# KiCad board UA4EFI.kicad_pcb (continued)
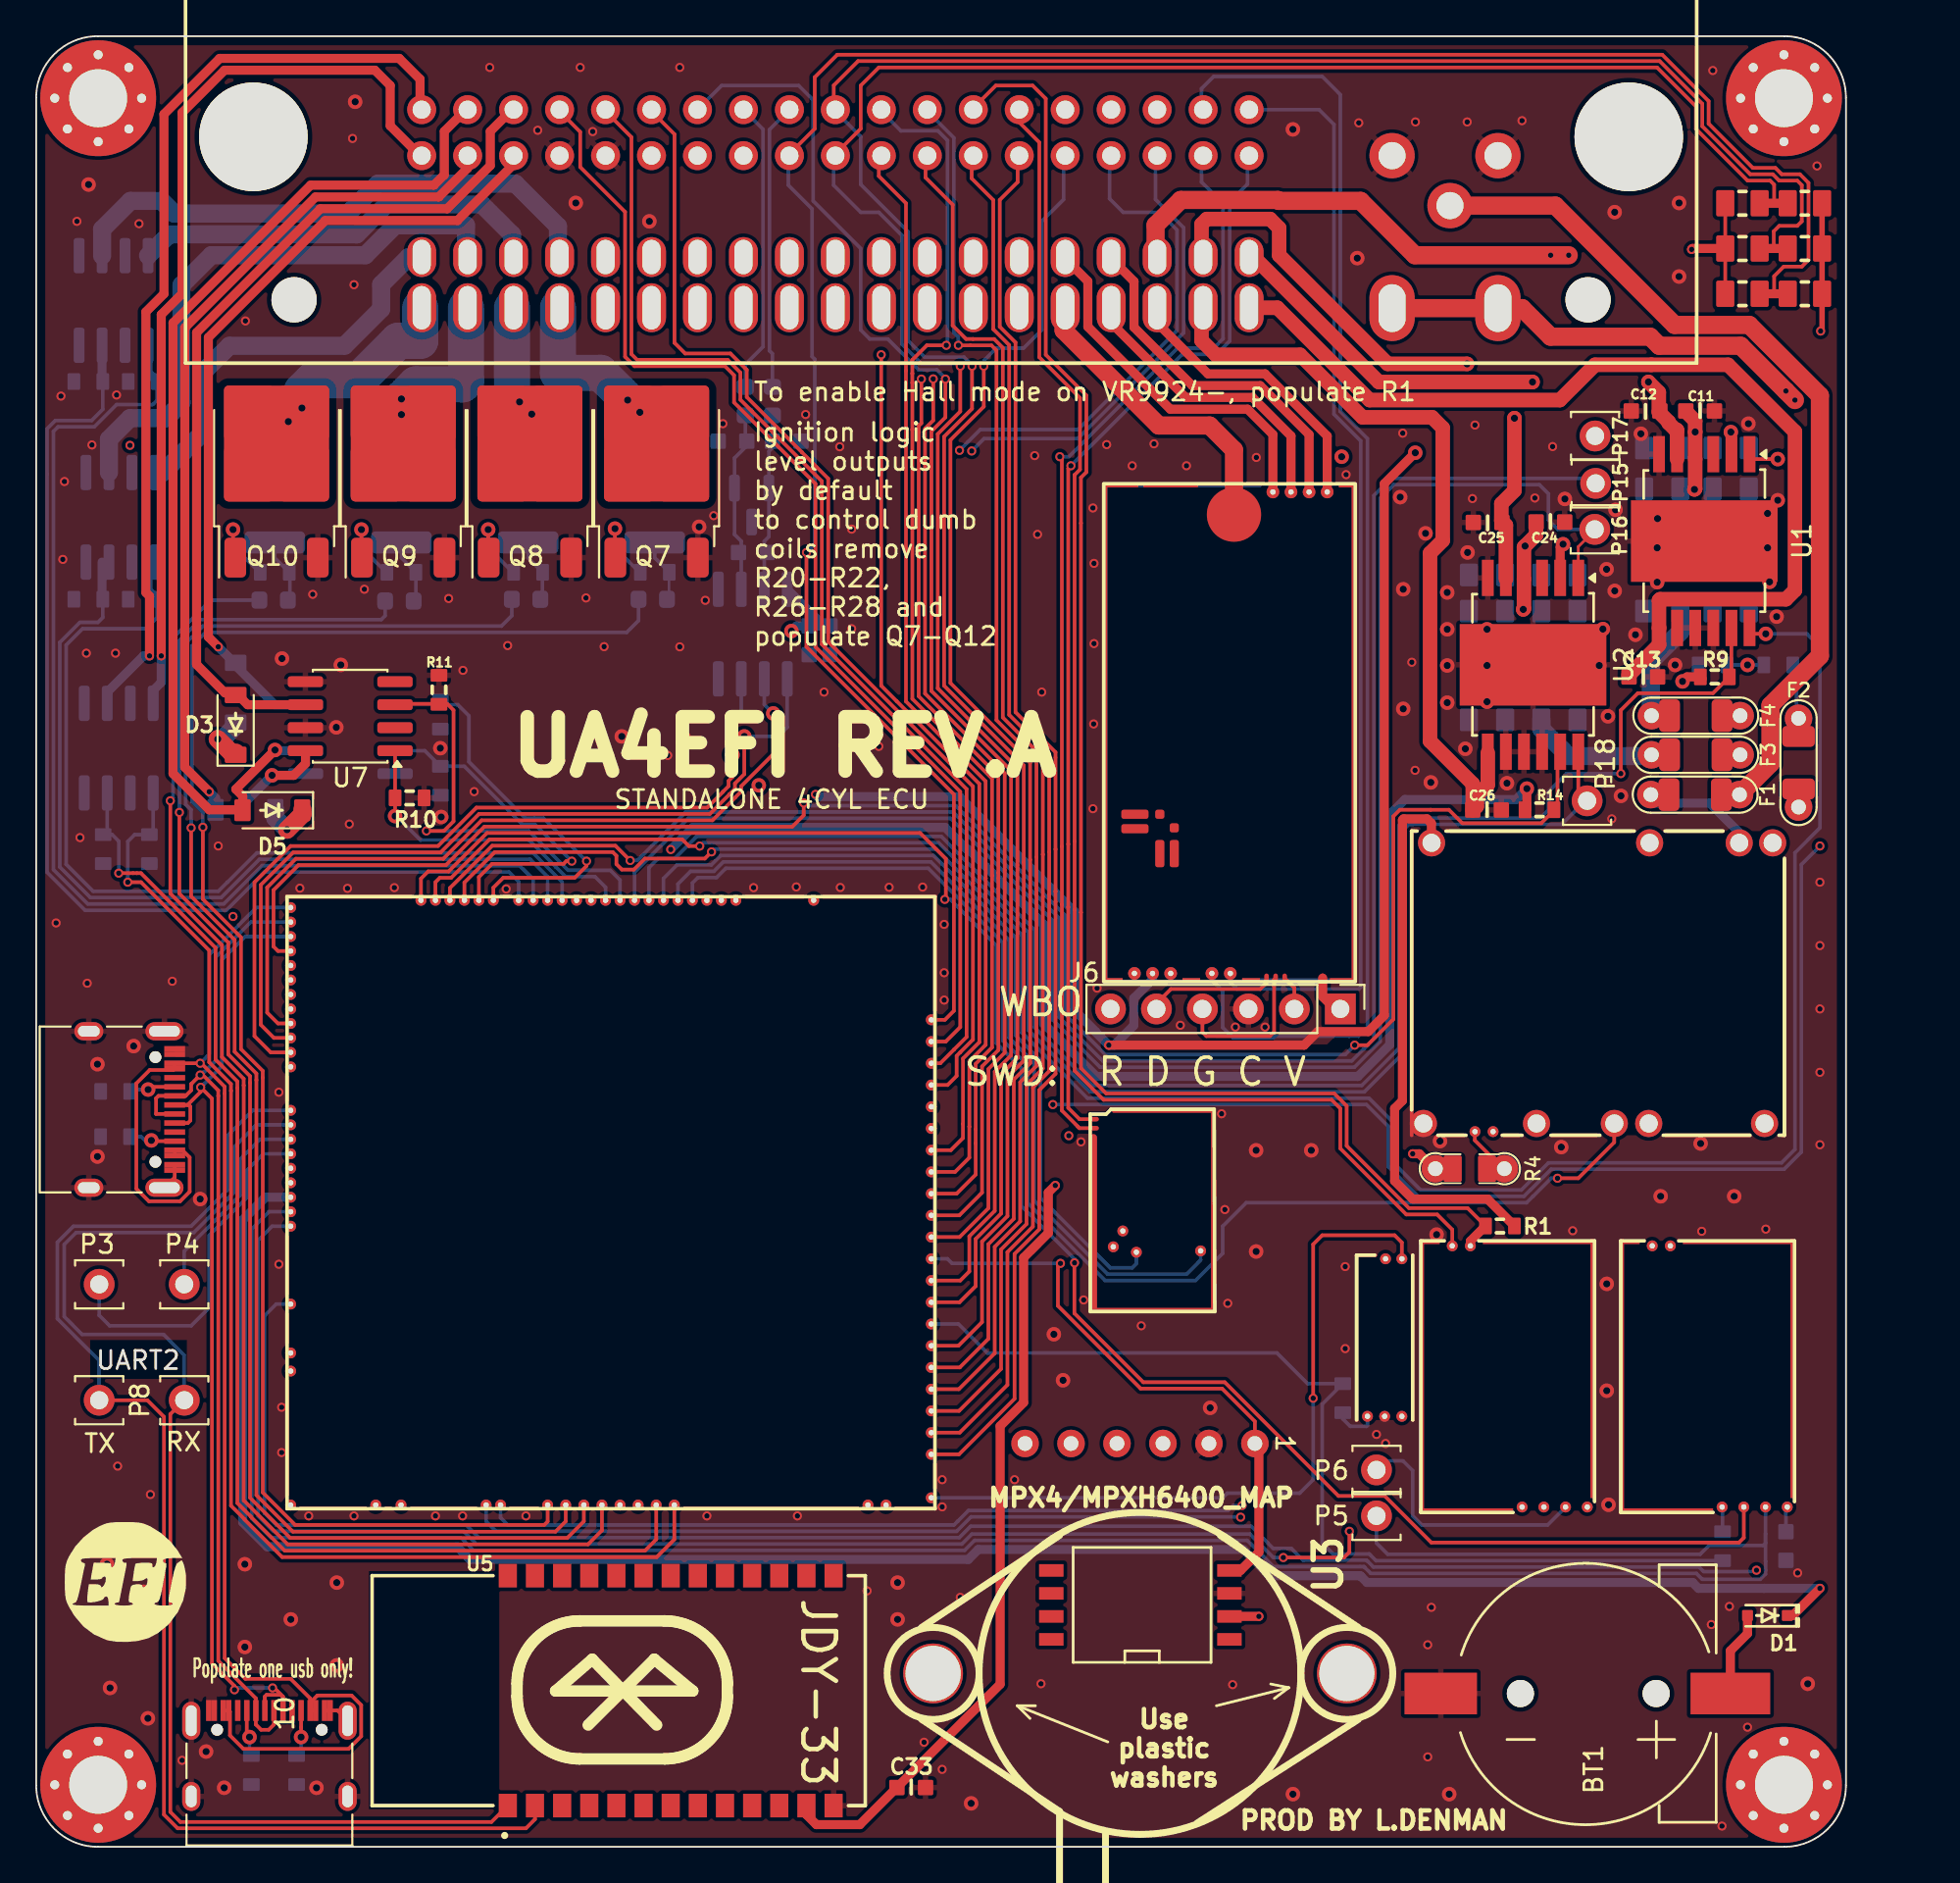
[diagram p0: board, top side]
## Routing (per net, layer and track width the routed paths; a pad name or vN(x,y) marks a point on that pad's centre or on a via; arc(x,y) is an arc through that point) (continued)
/MODULE_CAN_L: length 59.5
  Top w0.2: v1(57.18,76.28) 57.03,76.13 57.03,55.39 57.03,55.38 57.03,51.9 57.03,40.81 57.65,40.19 M7.S1
  Bottom w0.2: 66.93,93.4 66.93,91.83 65.95,90.85 65.95,83.17 65.21,82.42 63.32,82.42 v1(57.18,76.28)
/OUT_DC1+: length 56
  Top w0.8: 66.93,85 68.58,85 73.68,79.9 84.19,79.9 86.14,81.85 89.24,81.85 89.25,81.85 93.48,81.85 97.18,78.15 97.18,69.4 96.68,68.9 89.73,68.9 89.67,68.84 89.67,67.32 U1.7 89.67,66.39 87.98,64.69
/OUT_DC1-: length 30
  Top w0.8: 90.67,76.64 90.67,78.23 90.63,78.27 90.57,78.27 90.2,78.64 90.2,78.7 89.66,79.24 89.66,80.33 v2(89.09,80.9) ; v2(82.68,80.9) 74.18,80.9 67.28,87.8 66.93,87.8
  In2.Cu w0.8: v2(89.09,80.9) v2(82.68,80.9)
/OUT_DC2+: length 43.1
  Top w0.8: 80.21,60.42 80.21,58.66 79.64,58.09 79.6,58.09 79.6,57.47 79.38,57.24 79.38,58.71 77.02,61.07 77.02,71.45 77.72,72.15 77.72,78.36 77.13,78.95 73.29,78.95 69.84,82.4 65.18,82.4 64.39,83.19 64.39,85
/OUT_DC2-: length 34.2
  Top w0.8: 81.21,70.02 81.21,72.99 80.96,73.24 80.96,74.18 81.68,74.9 v2(81.68,78.9) ; v2(79.06,81.9) 74.68,81.9 68.68,87.9 68.68,89.4 68.18,89.9 64.68,89.9 64.39,89.61 64.39,87.8
  In2.Cu w0.8: v2(81.68,78.9) 81.68,79.28 v2(79.06,81.9)
/OUT_IGN1: length 10.6
  Bottom w2: 28.83,85 28.83,81.4 31.18,81.4 34.18,78.4 R20.2
  vias: v2(32.68,79.9) v2(33.36,79.23)
/OUT_IGN2: length 7.4
  Bottom w2: 26.29,85 26.29,80.22 27.18,79.33 R21.2
  vias: v2(26.71,79.8) v2(27.38,79.13)
/OUT_IGN3: length 10
  Bottom w2: R22.2 v2(20.18,79.1) v2(20.18,79.97) 20.99,80.78 23.56,80.78 23.75,80.97 23.75,85
/OUT_IGN4: length 12.6
  Bottom w2: 21.22,85 21.22,83.18 20,83.18 17.82,81 15.28,81 14.68,80.4 v2(14.68,79.47) R26.2
  vias: v2(13.93,78.72)
/OUT_INJ1: length 30.9
  Bottom w1: U10.6 3.64,89.34 5.21,90.9 6.93,90.9 7.63,90.21 17.23,90.21 18.88,91.86 26.48,91.86 28.83,89.5 28.83,87.8
/OUT_INJ2: length 23.2
  Bottom w1: 26.29,87.8 26.29,89.04 24.63,90.71 19.36,90.71 17.71,89.05 7.36,89.05 U10.8
/OUT_INJ3: length 32
  Bottom w1: 23.75,87.8 23.75,89.55 19.84,89.55 18.19,87.9 9.68,87.9 8.03,86.25 8.03,79.75 7.18,78.9 5.18,78.9 4.02,77.74 U9.6
/OUT_INJ4: length 22.4
  Bottom w1: U9.8 7,75.9 9.18,78.09 9.18,81.4 10.68,82.9 17.03,82.9 19.06,84.93 19.06,86.28 20.58,87.8 21.32,87.8
/OUT_LS1: length 54.6
  Top w0.5: v2(13.03,59.18) 14.23,59.18 14.88,59.83 14.88,60.54 ; v1(9.56,58.28) 8.21,59.62 8.21,83.9 15.44,91.12 22.25,91.12 23.84,92.71 J7.45
  Bottom w0.5: v1(9.56,58.28) 9.91,57.93 D2.2 ; D2.2 11.13,57.28 v2(13.03,59.18) ; D2.2 9.91,57.83
/OUT_LS2: length 48.9
  Top w0.5: 14.88,63.08 11.68,63.08 11.03,63.73 10.43,63.73 8.86,65.3 8.86,83.63 15.71,90.47 22.71,90.47 25.09,92.86 25.09,94.74 26.29,95.94
/OUT_LS3: length 44.8
  Top w0.5: v1(10.06,66.28) 9.51,66.82 9.51,83.36 15.98,89.82 23.28,89.82 26.38,92.92 J7.46
  Bottom w0.5: v1(10.06,66.28) 11.03,65.3 11.03,65.23 13.18,63.08 U8.8
/OUT_LS4: length 58.1
  Top w0.5: v2(13.2,60.58) 11.03,58.41 11.41,58.03 11.41,57.28 9.56,57.28 7.56,59.28 7.56,84.17 15.17,91.78 21.98,91.78 22.55,92.35 22.55,94.74 23.75,95.94
  Bottom w0.5: v2(13.2,60.58) 13.23,60.54 U8.6
/OUT_LS_HOT1: length 51.8
  Top w0.5: 21.21,95.94 21.21,97.62 20.06,98.78 10.14,98.78 7.06,95.7 7.06,85.78 6.06,84.78 6.06,69.28 6.26,69.08 v1(6.26,65.78)
  Bottom w0.5: v1(6.26,65.78) 5.93,65.78 3.93,63.78 U6.6
/OUT_LS_HOT2: length 50.7
  Top w0.5: 21.21,93.4 19.56,95.05 19.56,97.28 18.71,98.12 10.41,98.12 8.06,95.78 8.06,85.78 6.91,84.62 v1(6.91,65.78)
  Bottom w0.5: U6.8 6.47,63.87 6.91,64.32 v1(6.91,65.78)
/PG_5VP: length 91
  Top w0.5: 77.33,37.37 76.43,38.28 v1(76.06,38.28)
  In1.Cu w0.5: M8.N12 13.64,43.08 11.56,45.15 11.56,50.7 v1(10.87,51.38)
  In2.Cu w0.5: v1(76.06,38.28) 73.06,38.28 69.75,41.59 57.75,41.59 52.06,47.28 52.06,52.78 48.31,56.53 32.59,56.53 31.93,55.87 28.66,55.87 27.66,54.87 22.88,54.87 22.31,54.31 14.46,54.31 14.34,54.43 11.71,54.43 10.87,53.59 v1(10.87,51.38)
/PWR_EN: length 138.9
  In1.Cu w0.2: v1(95.06,15.28) 96.06,16.28 97.06,16.28 98.06,17.28 98.06,36.28 96.34,37.99 82.34,37.99 81.56,38.78 80.81,38.78 80.49,39.09 80.49,39.52
  Bottom w0.2: M8.N20 13.26,29.97 12.61,29.33 12.61,18.42 13.26,17.78 23.76,17.78 24.46,17.07 51.01,17.07 51.64,17.7 67.13,17.7 68.06,16.78 68.06,16.77 68.36,16.48 69.36,16.48 70.01,15.83 73.51,15.83 73.56,15.78 73.56,15.78 73.89,15.45 91.88,15.45 92.13,15.2 94.98,15.2 v1(95.06,15.28)
/SCK3: length 46.4
  Top w0.2: v2(39.13,61.33) 39.13,59.24 38.61,58.73 38.61,58.44 38.3,58.12 38.3,58.12 37.22,57.04 24.47,57.04 22.35,54.92 14.21,54.92 12.41,53.13 12.41,45.4 13.14,44.68 M8.N10
  Bottom w0.2: v2(39.13,61.33) 40.99,61.33 41.5,61.84 U4.5
/UART2_RX: length 203.4
  Top w0.2: P7.1 7.41,23.9 7.41,1.92 7.96,1.37 25.16,1.37 U5.1
  In1.Cu w0.2: v1(51.02,77.12) 51.06,77.08 51.06,62.78 50.56,62.28 50.56,62.27 47.92,59.63 31.37,59.63 28.87,57.13 26.21,57.13 24.21,55.13 12.21,55.13 9.71,52.63 4.42,52.63 0.71,48.92 0.71,26.94 1.88,25.77 1.88,23.74 2.38,23.23 6.74,23.23 P7.1
  Bottom w0.2: v1(51.02,77.12) 51.19,77.3 51.19,77.3 51.48,77.59 51.49,77.59 52.17,78.28 57.56,78.28 63.04,83.75 63.04,89.3 62.06,90.28 60.06,90.28 59.31,91.02 59.31,93.4 ; M8.N14 12.16,39.87 10.91,38.63 10.91,36.13 10.56,35.78 10.56,35.78 8.71,33.92 2.21,33.92 1.55,33.27 1.55,29.29 2.54,28.3 7.04,28.3 8.17,27.16 8.17,24.67 P7.1
/UART2_TX: length 195.7
  Top w0.2: U5.2 27.56,1.52 27.06,1.02 7.82,1.02 7.06,1.78 7.06,23.75 6.14,24.66 3.48,24.66 P8.1
  In1.Cu w0.2: v1(51.69,77.09) 51.56,76.96 51.56,62.78 48.06,59.28 31.73,59.28 29.23,56.78 26.35,56.78 24.35,54.78 12.35,54.78 9.85,52.28 4.56,52.28 1.06,48.78 1.06,27.09 P8.1
  Bottom w0.2: P8.1 3.47,24.68 3.47,26.87 1.17,29.17 1.17,33.39 2.06,34.28 8.56,34.28 10.56,36.28 10.56,39.28 11.96,40.67 M8.N13 ; v1(51.69,77.09) 52.37,77.78 57.56,77.78 63.4,83.62 63.4,89.43 62.21,90.63 62.21,90.63 61.85,90.99 61.85,93.4 61.85,93.4
/USB+: length 56.7
  Top w0.2: 13.64,8.25 13.64,8.29 13.16,8.78 v1(13.06,8.78) ; 13.64,8.25 13.5,8.39 12.72,8.39 12.64,8.3 12.64,7.53 12.64,8.24 ; 13.64,8.25 13.64,7.53 ; v1(10.96,8.67) 10.96,8.88 9.71,10.13 9.71,41.32 v1(9.09,41.95) 9.09,41.7 8.36,40.97 7.65,40.97 8.43,40.97 8.52,40.89 8.52,40.11 8.38,39.97 7.65,39.97
  Bottom w0.2: v1(9.09,41.95) 9.27,42.12 9.27,42.12 9.56,42.42 9.56,42.42 10.27,43.12 10.27,48.99 11.55,50.28 M8.N3 ; v1(13.06,8.78) 11.06,8.78 v1(10.96,8.67)
/USB-: length 56.2
  Top w0.2: J9#2.A7 6.62,40.47 6.62,41.34 6.75,41.47 8.26,41.47 8.26,41.48 8.56,41.78 8.56,42.12 8.59,42.15 v1(9.06,42.62) 9.21,42.62 10.06,41.78 10.06,41.47 10.06,41.47 10.06,10.27 12.14,8.2 J9.B7 12.14,6.75 12.43,6.46 12.85,6.46 13.14,6.75 J9.A7
  Bottom w0.2: v1(9.06,42.62) 9.21,42.77 9.27,42.77 9.91,43.42 9.91,47.03 9.91,47.03 9.91,47.17 9.91,47.17 9.91,47.38 9.91,49.13 11.86,51.08 M8.N2
/VIGN: length 74.4
  Top w0.2: v1(84.06,36.92) 85.21,36.92 87.19,38.91 87.19,39.97
  Bottom w0.2: v1(84.06,36.92) 83.71,36.92 82.71,35.92 82.7,35.92 82.35,35.57 66.86,35.57 65.56,34.28 65.56,32.78 64.06,31.28 59.06,31.28 54.79,35.54 54.79,43.15 53.41,44.53 53.41,49.93 49.29,54.05 38.11,54.05 37.59,53.53 36.56,53.53 36.26,53.23 M8.E5
/VR_DISCRETE: length 131.9
  Bottom w0.2: 95.56,17.28 95.56,15.77 95.56,15.77 95.56,15.28 95.56,15.27 95.56,15.07 95.26,14.78 92.06,14.78 91.73,15.1 73.74,15.1 73.42,15.42 73.42,15.42 73.36,15.47 68.36,15.47 66.91,16.92 51.85,16.92 51.3,16.37 24.17,16.37 23.47,17.07 12.97,17.07 11.91,18.13 11.91,34.13 12.86,35.07 M8.N18 ; 95.56,17.28 95.56,16.77 95.43,16.64 92.43,16.64 91.94,16.15 74.68,16.15 74.06,16.78 P5.1 ; 95.56,17.28 M3.E3
/VR_DISCRETE+: length 93.4
  In1.Cu w0.2: M3.W2 89.3,33.62 88.14,34.78 75.56,34.78 73.91,36.42 73.91,77.42 70.91,80.42 70.91,97.42 69.71,98.63 60.41,98.63 59.31,97.53 59.31,95.94
/VR_DISCRETE-: length 96.9
  In1.Cu w0.2: 56.77,95.94 56.77,97.49 58.26,98.98 69.85,98.98 71.26,97.57 71.26,80.57 74.26,77.57 74.26,36.57 75.71,35.13 88.36,35.13 M3.W1
/VR_DISCRETE_A: length 1.4
  Bottom w0.2: M3.E2 93.18,18.74 R5.1
/VR_DISCRETE_THR: length 104.2
  Top w0.2: v1(57.37,32.25) 57.37,32.25 57.37,29.46 61.17,25.66 65.68,25.66 71.96,19.38 74.52,19.38 77.09,16.8 94.09,16.8 94.36,17.07 M3.E1 ; v1(50.21,52.33) 50.26,52.38 50.26,54.57 48.84,55.99 24.91,55.99 22.79,53.87 21.66,53.87 21.26,53.48 M8.E23
  Bottom w0.2: v1(50.21,52.33) 50.51,52.33 53.06,49.78 53.06,44.39 54.44,43.01 54.44,35.4 57.37,32.46 v1(57.37,32.25)
/VR_MAX9924: length 98.9
  Top w0.2: v1(68.91,15.98) 72.26,15.98 72.56,16.28 v1(72.56,17.43)
  In2.Cu w0.2: v1(72.56,17.43) 72.56,20.28 73.1,20.81 P6.1
  Bottom w0.2: M4.E3 83.52,17.78 76.56,17.78 76.06,18.28 76.06,20.78 75.52,21.31 74.56,21.31 P6.1 ; v1(68.91,15.98) 68.36,15.98 67.06,17.28 51.7,17.28 51.15,16.72 24.32,16.72 23.62,17.42 13.12,17.42 12.26,18.28 12.26,33.5 13.04,34.27 M8.N19
/VR_MAX9924+: length 81.3
  Top w0.2: J7.76 54.32,95.24 55.43,94.14 55.43,82.27 57.68,80.02 57.68,76.07 57.38,75.77 57.38,75.77 57.38,55.53 57.38,55.53 57.38,51.75 57.38,42.86 58.98,41.26 71.58,41.26 72.06,40.78 72.06,38.57 75.71,34.92 77.41,34.92 78.25,34.09 M4.W2
/VR_MAX9924-: length 88.2
  Top w0.2: 51.69,95.94 53.02,97.28 55.06,97.28 55.78,96.55 55.78,82.41 58.03,80.16 58.03,75.92 57.73,75.62 57.73,73.11 57.73,73.11 57.73,51.6 57.73,51.6 57.73,43 59.13,41.61 71.73,41.61 72.41,40.92 72.41,38.72 75.85,35.27 79.1,35.27 R1.2
  Top w0.5: R1.2 79.25,33.45 M4.W1
/VREF1: length 40.7
  Top w0.2: M2.W2 75.46,33.38 75.06,33.78 71.06,33.78 70.56,33.28 v1(70.56,24.78)
  Bottom w0.2: v1(70.56,24.78) 70.56,20.28 69.81,19.53 65.81,19.53 65.56,19.27 M8.S22
/WBO_Heater: length 17
  Top w1: 56.77,85 56.77,83.75 62.03,78.5 64.84,78.5 66.19,77.15 M5.E5
/WBO_Ip: length 16.5
  Top w0.5: 69.34,74.83 69.34,77.92 67.21,80.05 63.51,80.05 59.31,84.25 59.31,85
/WBO_Rtrim: length 19.7
  Top w0.5: 70.34,74.83 70.34,78 67.63,80.7 63.88,80.7 60.66,83.92 60.66,86.45 59.31,87.8
/WBO_Un: length 16
  Top w0.5: 71.34,74.83 71.34,77.92 67.9,81.35 64.75,81.35 61.85,84.25 61.85,85
/WBO_Vm: length 20.3
  Top w0.5: 68.34,74.83 68.34,78 66.94,79.4 62.67,79.4 58.11,83.96 58.11,86.46 56.77,87.8
Net-(BT1-+): length 4.7
  Top w0.5: BT1.1 93.61,10.83 94.56,11.78 D1.2
Net-(F5-Pad1): length 3.5
  Bottom w0.2: R21.1 27.18,71.19 R18.2 27.97,70.38 27.97,69.02 F5.1
Net-(F6-Pad1): length 3.5
  Bottom w0.15: R17.2 34.97,70.38 34.97,69.02 F6.1
  Bottom w0.2: R17.2 34.18,71.19 R20.1
Net-(F7-Pad1): length 3.6
  Bottom w0.2: 20.97,68.75 20.98,68.77 R19.2 20.18,71.19 R22.1
Net-(F8-Pad1): length 3.6
  Bottom w0.2: R26.1 13.18,71.19 R23.2 14.02,70.35 14.02,68.8
Net-(J6-Pin_1): length 2.3
  Top w0.5: M5.W8 71.09,46.95 71.76,46.28 J6.1
Net-(J6-Pin_2): length 2
  Top w0.2: 69.22,46.28 69.52,46.58 69.52,47.44 M5.W7
Net-(J6-Pin_4): length 8.4
  Top w0.2: J6.4 64.44,45 64.66,44.78 68.17,44.78 68.4,45.01 68.4,47.89 M5.W6
Net-(J6-Pin_5): length 7.2
  Top w0.2: M5.W5 67.99,47.72 67.64,47.38 62.7,47.38 61.6,46.28
Net-(J9-CC1): length 5.2
  Top w0.2: 7.65,41.97 6.33,41.97 v2(6.18,41.82) ; 11.64,7.53 11.64,6.21 v2(11.79,6.06)
  Bottom w0.2: v2(6.18,41.82) 5.26,41.82 R7.2 ; R7#2.2 11.79,5.14 v2(11.79,6.06)
Net-(J9-CC2): length 5.2
  Top w0.2: v2(14.64,6.06) 14.64,6.59 14.64,7.53 ; 7.65,38.97 6.4,38.97 v2(6.36,39.01)
  Bottom w0.2: R8#2.2 14.64,5.29 v2(14.64,6.06) ; v2(6.36,39.01) 6,39.01 5.79,39.22 R8.2
Net-(M8-LED_GREEN): length 11.4
  Bottom w0.2: P4.1 8.18,32.9 10.56,35.28 10.56,35.28 10.91,35.63 10.91,35.63 11.26,35.98 11.26,37.98 12.36,39.08 M8.N14a
Net-(M8-LED_YELLOW): length 19.7
  Bottom w0.2: M8.N14b 12.56,38.27 11.61,37.33 11.61,35.84 11.54,35.77 11.54,35.75 9.56,33.78 9.56,29.78 8.56,28.78 4.06,28.78 3.48,29.36 P3.1
Net-(Mr1-PG_5VP): length 2.8
  Top w0.2: 81.14,37.37 79.49,39.02 79.49,39.49 Mr1.E6
Net-(Q7-G): length 4.6
  Top w0.2: Q7.1 31.98,71.22 v2(31.98,72.8)
  Bottom w0.2: R17.1 33.34,70.39 31.98,71.75 v2(31.98,72.8)
Net-(Q8-G): length 4.5
  Top w0.2: Q8.1 24.97,71.23 v2(24.97,72.75)
  Bottom w0.2: v2(24.97,72.75) 24.97,71.75 26.34,70.39 R18.1
Net-(Q9-G): length 4.5
  Top w0.2: v2(17.97,72.75) 17.97,71.23 Q9.1
  Bottom w0.2: v2(17.97,72.75) 17.97,71.76 19.34,70.39 R19.1
Net-(Q10-G): length 4.6
  Top w0.2: Q10.1 10.88,71.33 v2(10.88,72.75)
  Bottom w0.2: R23.1 12.34,70.39 10.88,71.85 v2(10.88,72.75)
Net-(U4-T+): length 9.8
  Bottom w0.2: L1.2 C30.2 40.68,77.27 40.48,77.08 D6.2 40.48,72.36 40.23,72.11 U4.3
Net-(U4-T-): length 10
  Bottom w0.2: C28.2 39.26,77.38 38.58,76.7 D6.1 38.58,72.48 38.96,72.11 U4.2 ; L2.2 39.18,77.71

## Copper pours and planes (outline as drawn; the poured copper is in the pictures)
GND on Top, Bottom, In1.Cu, In2.Cu: -0.06,100.06 100.06,100.06 100.07,-0.07 -0.06,-0.06
/DC Driver 1/PWR on Bottom: 93.2,78.62 93.2,67.9 90.2,67.9 90.1,68 90.1,78.62
/DC Driver 2/PWR on Bottom: 83.72,72.16 83.72,61.43 80.72,61.43 80.62,61.53 80.62,72.16

## Text on the board
B.Silkscreen: R6 | 1 | C
Edge.Cuts: UART2
F.Fab: ISL9V3040D3ST | M3 | H2
F.Silkscreen: C12 | C11 | Populate one usb only! | R1 | TX | RX | STANDALONE 4CYL ECU | To enable Hall mode on VR9924-, populate R1 | Ignition logic / level outputs / by default / to control dumb / coils remove / R20-R22, / R26-R28 and / populate Q7-Q12 | 10 | PROD BY L.DENMAN | SWD:  R D G C V | WBO | UA4EFI REV.A
